# Altium PCB Clocker.PCBDOC (part 1 of 2) (continued)
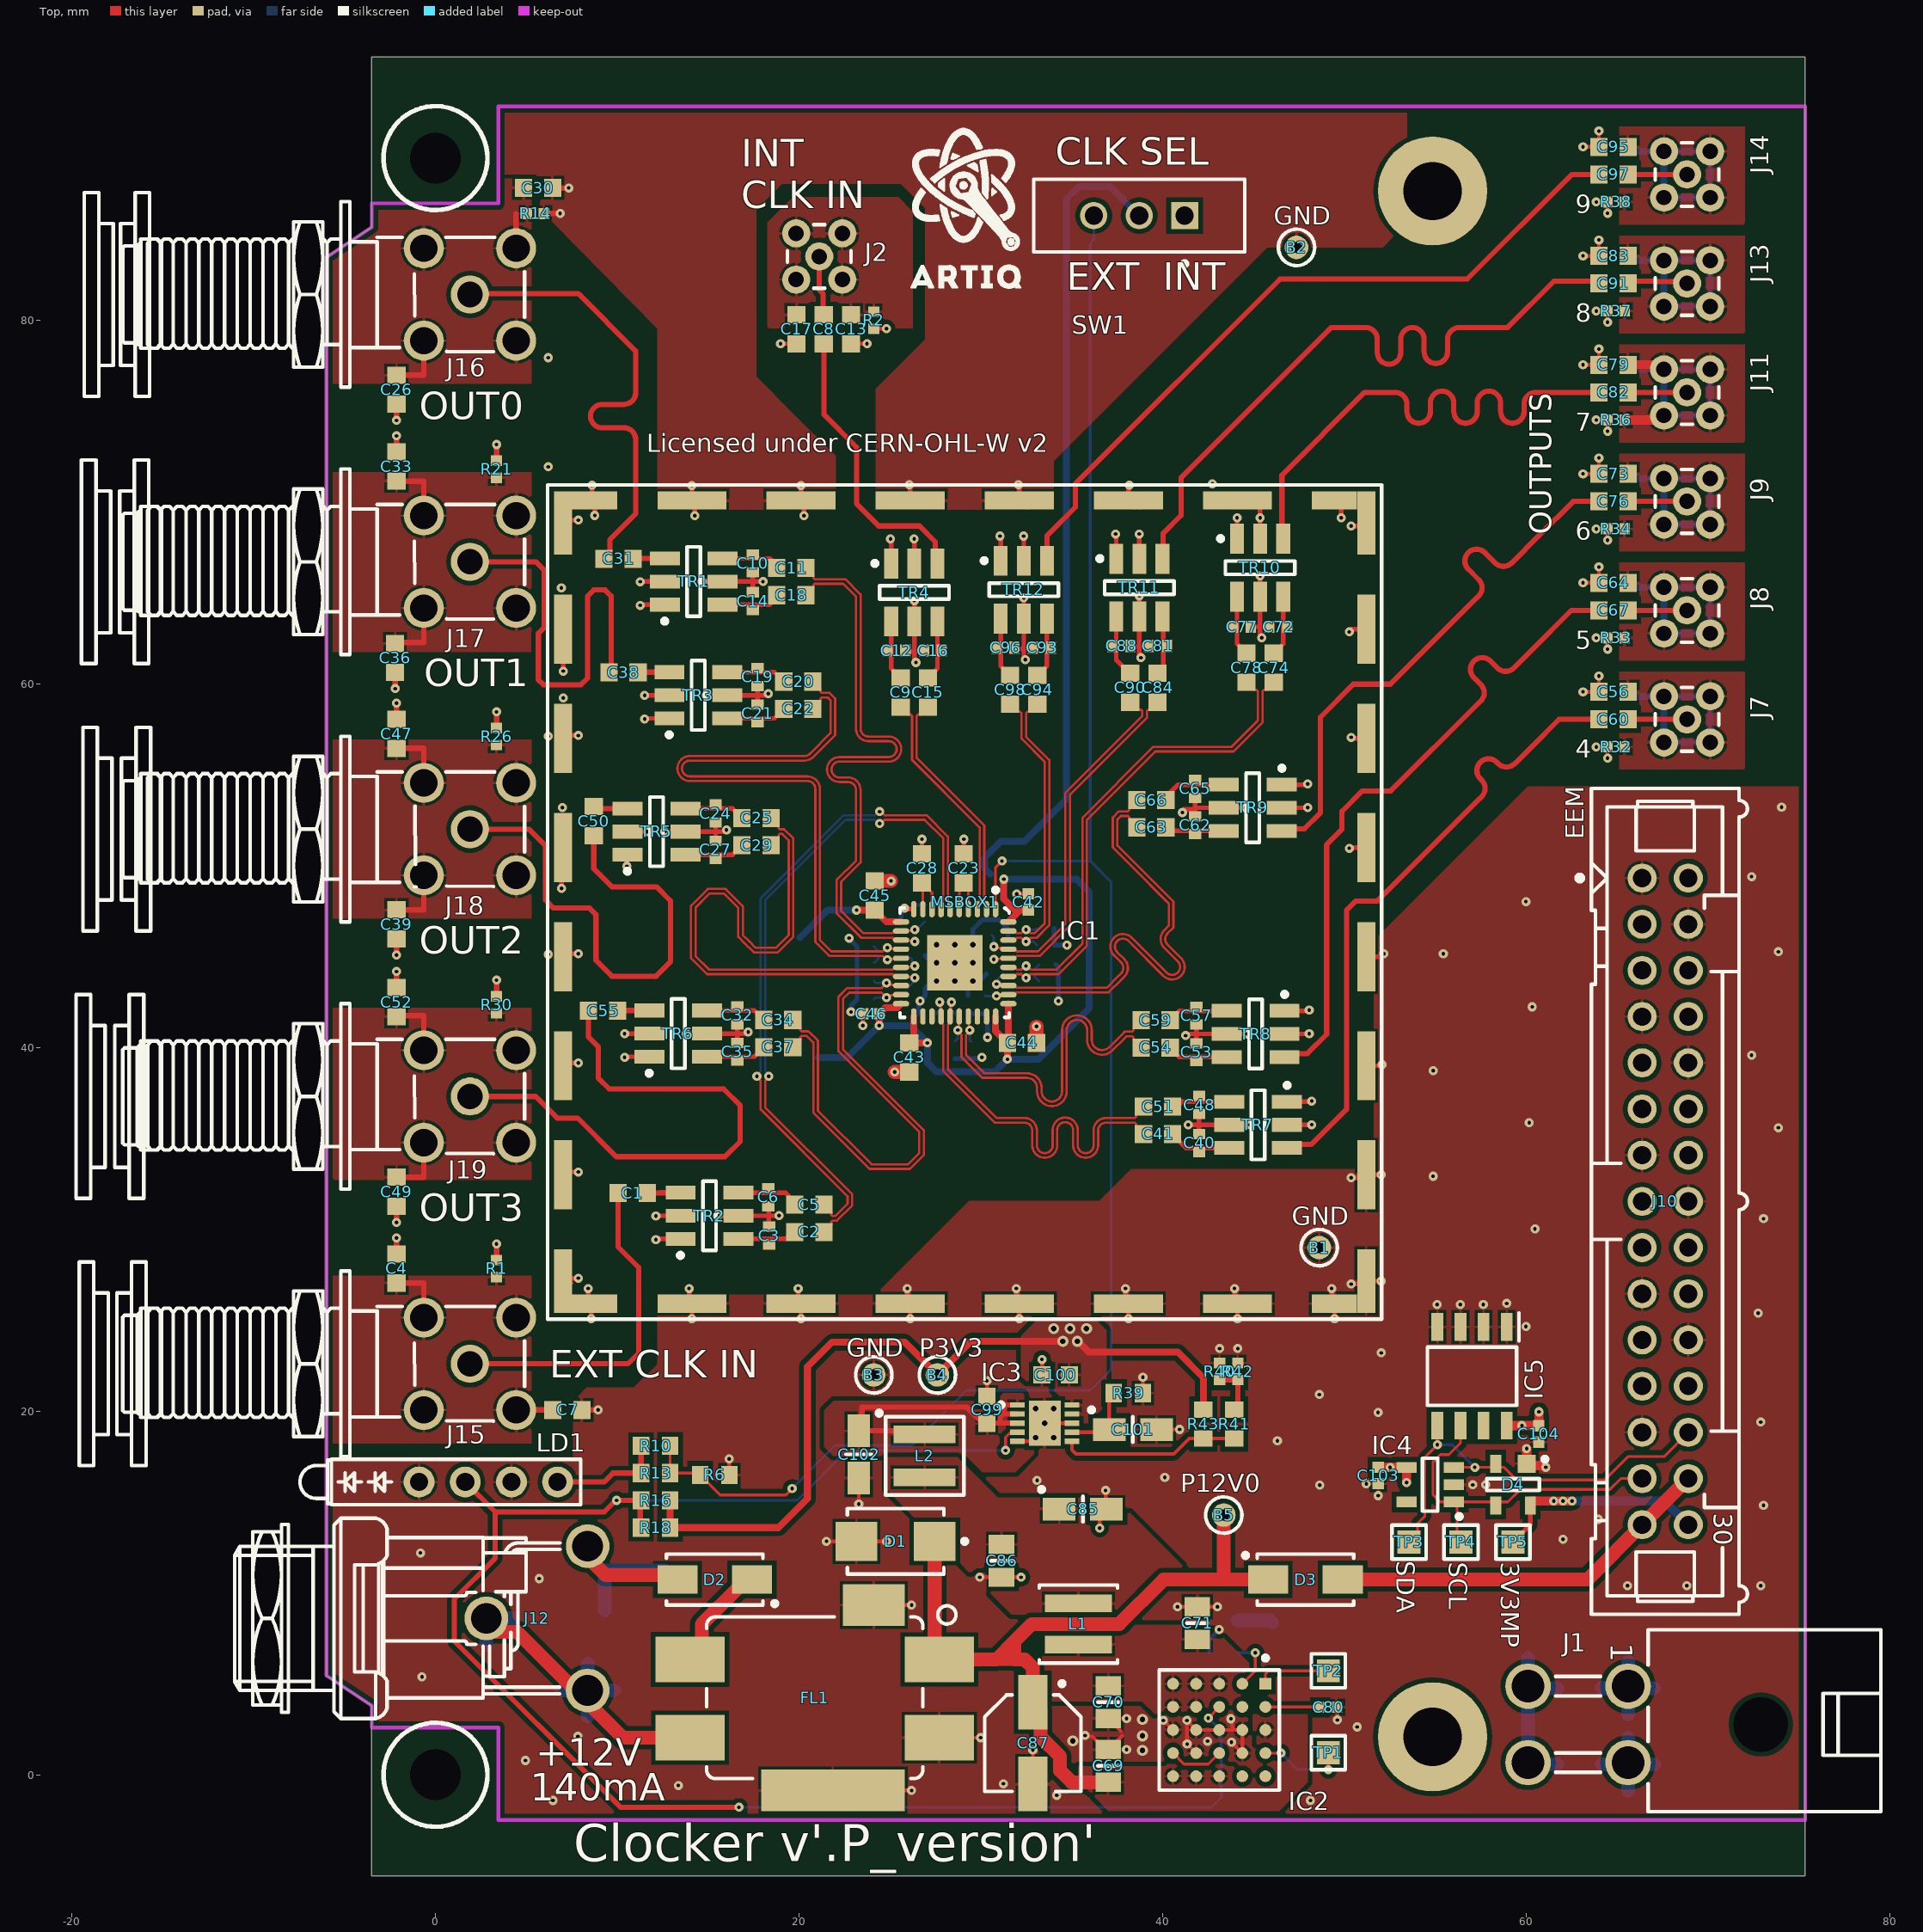
[diagram p0: Top view]
## Part data (continued)
FL1: library part FIL_MURATA_BNX022-01L, "Block Type EMIFIL (LC Combined)", Manufacturer=MURATA, Manufacturer Part Number=BNX022-01L, Resistance=0.5R, Author="CERN DEM JLC", Component Type=Standard, ComponentHeight=3.3mm, CreateDate=10.10.2012, HelpURL=\\cern.ch\dfs\Applications\Altium\Datasheets\FIL_MURATA_BNX022-01L.pdf, LatestRevisionDate=10.10.2012, Mounted=Yes, Part Description="Block Type EMIFIL (LC Combined) SMD Type, BNX02* Series", Part Number=FIL_MURATA_BNX022-01L, Pin Count=2, Sense=No, SMD=Yes, Socket=No, Status=None
IC1: "Two Selectable Inputs, 10 LVPECL Outputs, SiGe Clock Fanout Buffer", Case=QFN40, Manufacturer="ANALOG DEVICES", Author="CERN DEM BC", Bonding=No, Component Type=Standard, ComponentHeight=1mm, CreateDate=15.08.2016, Device=ADCLK950BCPZ, HelpURL=\\cern.ch\dfs\Applications\Altium\Datasheets\ADCLK950BCPZ.pdf, LatestRevisionDate=15.08.2016, Manufacturer Part Number=ADCLK950BCPZ, Mounted=Yes, PackageDescription="QFN, 0.50mm Pitch, Square; 40 Pin, 6.00mm L X 6.00mm W X 1.00mm H Body (W/Thermal Tab 3.05mm X 3.05mm), IPC Medium Density", Part Description="Two Selectable Inputs, 10 LVPECL Outputs, SiGe Clock Fanout Buffer", Part Number=ADCLK950BCPZ, Pin Count=41, PressFit=No, Sense=No, SMD=Yes, Socket=No
IC2: "4V-20V to 0.6V-5.5V, Iout 3A Step-Down DC/DC uModule Regulator", Case=LGA25, Manufacturer="LINEAR TECHNOLOGY", Author="CERN DEM JMW", Bonding=No, Component Type=Standard, ComponentHeight=1.92mm, CreateDate=23.09.2015, Device=LTM4623EV#PBF, HelpURL=\\cern.ch\dfs\Applications\Altium\Datasheets\LTM4623EV#PBF.pdf, LatestRevisionDate=23.09.2015, Manufacturer Part Number=LTM4623EV#PBF, Mounted=Yes, PackageDescription="LGA, 1.27mm Pitch, Square; 25 Pin, 5 Columns X 5 Rows, 6.25mm X 6.25mm X 1.92mm H", Part Description="4V-20V to 0.6V-5.5V, Iout 3A Step-Down DC/DC uModule Regulator", Part Number=LTM4623EV#PBF, Pin Count=25, PressFit=No, Sense=No, SMD=Yes, Socket=No
IC3: "20V, 500mA, Ultralow Noise, Ultrahigh PSRR Linear Regulator", Case=SON10, Manufacturer="LINEAR TECHNOLOGY", Author="CERN DEM JLC", Bonding=No, Component Type=Standard, ComponentHeight=0.8mm, CreateDate=07.12.2016, Device=LT3045EDD#PBF, HelpURL=\\cern.ch\dfs\Applications\Altium\Datasheets\LT3045EDD#PBF.pdf, LatestRevisionDate=07.12.2016, Manufacturer Part Number=LT3045EDD#PBF, Mounted=Yes, PackageDescription="SON, 0.50mm Pitch, 10-pin, 3.00mm W  X 3.00mm L X 0.80mm Height, (w/thermal tab 1.75 X 2.48 mm), IPC Medium Density", Part Description="20V, 500mA, Ultralow Noise, Ultrahigh PSRR Linear Regulator", Part Number=LT3045EDD#PBF, Pin Count=11, PressFit=No, Sense=No, SMD=Yes, Socket=No
IC4: "1.7V-5.5V, 2K I2C Serial EEPROM With EUI-48 Node Identity", Case=SOT23-5, Manufacturer="MICROCHIP TECHNOLOGY", Author="CERN DEM MR", Bonding=No, Component Type=Standard, ComponentHeight=1.45mm, CreateDate=31.03.2016, Device=24AA02E48T-I/OT, HelpURL=\\cern.ch\dfs\Applications\Altium\Datasheets\24AA02E48T-I-OT.pdf, LatestRevisionDate=31.03.2016, Manufacturer Part Number=24AA02E48T-I/OT, Mounted=Yes, PackageDescription="SOT, 0.95mm pitch; 5 pin, 1.60mm W X 2.90mm L X 1.45mm H body, IPC Medium Density", Part Description="1.7V-5.5V, 2K I2C Serial EEPROM With EUI-48 Node Identity", Part Number=24AA02E48T-I/OT, Pin Count=5, PressFit=No, Sense=No, SMD=Yes, Socket=No
IC5: library part MEM_24AA02E48T-I/SN, "1.7V-5.5V, 2K I2C™ Serial EEPROMs with EUI-48™ Node Identity", Case=SOIC8, Manufacturer="MICROCHIP TECHNOLOGY", Author=GK, Bonding=No, Component Type=Standard, ComponentHeight=1.75mm, CreateDate=19.07.2016, Device=24AA02E48T-I/SN, HelpURL=\\cern.ch\dfs\Applications\Altium\Datasheets\24AA025E48-I-SN.pdf, LatestRevisionDate=19.07.2016, Manufacturer Part Number=24AA02E48T-I/SN, Mounted=Yes, PackageDescription="SOIC 8, Pitch 1.27mm - Body 4x5mm, IPC Medium Density", Part Description="1.7V-5.5V, 2K I2C™ Serial EEPROMs with EUI-48™ Node Identity", Part Number=24AA02E48T-I/SN, Pin Count=8, PressFit=No, Sense=No, SMD=Yes, Socket=No
J1: library part MOLEX_39-30-0040, "Connector 4 Male", Manufacturer=MOLEX, Manufacturer Part Number=39-30-0040, Author="CERN DEM JLC", Component Type=Standard, ComponentHeight=11.4mm, CreateDate=2018-10-02, Family="Mini-Fit Jr.™", HelpURL=\\cern.ch\dfs\Applications\Altium\Datasheets\MOLEX_39-30-0040.pdf, LatestRevisionDate=2018-10-02, Mounted=Yes, Part Description="4.20mm (.165\") Pitch Mini-Fit Jr. Header, Dual Row, Right Angle with Snap-in Plastic Peg PCB Lock, 4 Circuits", Part Number=MOLEX_39-30-0040, Pin Count=4, PressFit=No, Sense=No, SMD=No, Socket=No, Status=None
J2 J7 J8 J9 J11 J13 J14: library part SAMTEC_MMCX-J-P-H-ST-TH1, Manufacturer=SAMTEC, Author="CERN DEM JLC", Component Type=Standard, ComponentHeight=4.35mm, CreateDate=05.12.2012, HelpURL=\\cern.ch\dfs\Applications\Altium\Datasheets\SAMTEC_MMCX-J-P-H-ST-TH1.pdf, LatestRevisionDate=05.12.2012, Manufacturer Part Number=MMCX-J-P-H-ST-TH1, Mounted=Yes, Part Description="Straight Through-hole 50 Ohm Micro Mini RF Jack, MMCX Series", Part Number=SAMTEC_MMCX-J-P-H-ST-TH1, Pin Count=2, PressFit=No, Sense=No, SMD=No, Socket=No, Status=None
J10: library part 3M_N2530-6002RB, "Connector 30 Male", Manufacturer=3M, Manufacturer Part Number=N2530-6002RB, Author="CERN DEM JLC", Component Type=Standard, ComponentHeight=10.03mm, CreateDate=11.02.2009, Family="Header 30", HelpURL=\\cern.ch\dfs\Applications\Altium\Datasheets\3M_N2530-6002RB.pdf, LatestRevisionDate=11.08.2009, Mounted=Yes, Part Description="30 Contacts - Straight .100'' x .100'' Low Profile Four-Wall Header, 2500 Series", Part Number=3M_N2530-6002RB, Pin Count=30, PressFit=No, Sense=No, SMD=No, Socket=No, Status=None
J12: library part SWITCHCRAFT_712RA, "2.5 mm Center Pin, 5A, 48V, Right Angle, Through Hole, , DC Power Jack Connector", Manufacturer=SWITCHCRAFT, Manufacturer Part Number=712RA, Author="CERN DEM JLC", Component Type=Standard, ComponentHeight=13.8mm, CreateDate=19.12.2017, Family=Jack, HelpURL=\\cern.ch\dfs\Applications\Altium\Datasheets\SWITCHCRAFT_712RA.pdf, LatestRevisionDate=19.12.2017, Mounted=Yes, Part Description="2.5 mm Center Pin, 5A, 48VDC, Right Angle, Through Hole, Locking Power Jack Connector (Threaded Bushings)", Part Number=SWITCHCRAFT_712RA, Pin Count=3, PressFit=No, Sense=No, SMD=No, Socket=No, Status=None
J15 J16 J17 J18 J19: library part CON_SMA_DELOCK_65848, "50 Ohm Through Hole SMA Right Angle PCB Jack", Manufacturer=DELOCK, Manufacturer Part Number="5848 (4043619658480)", Part Number=DELOCK_65848, Author=GK, Component Type=Standard, ComponentHeight=12.5, CreateDate=13.05.2019, Family=SMA, HelpURL=\\cern.ch\dfs\Applications\Altium\Datasheets\AMPHENOL_132203-16.pdf, LatestRevisionDate=13.05.2019, Mounted=Yes, Part Description="50 Ohm Through Hole SMA Right Angle PCB Jack", Pin Count=5, PressFit=No, Sense=No, SMD=No, Socket=No, Status=None
L1 L2: library part IND_6.8UH_20%_COILCRAFT_XAL4030, "Inductor With Core", Manufacturer=COILCRAFT, Manufacturer Part Number=XAL4030-682MEB, Power=3A, Resistance=0.0741R, Tolerance=±20%, Author="CERN DEM MR", Component Type=Standard, ComponentHeight=2.1mm, CreateDate=14.03.2016, HelpURL=\\cern.ch\dfs\Applications\Altium\Datasheets\IND_COILCRAFT_XAL4030.pdf, LatestRevisionDate=14.03.2016, Mounted=Yes, Part Description="SMD Shielded Power Inductor", Part Number=IND_6.8UH_20%_COILCRAFT_XAL4030, Pin Count=2, Sense=No, SMD=Yes, Socket=No, Status=None
LD1: library part LED_DIALIGHT_571-0122F, "LED x2 Green 1C2A-BOT_3C4A-TOP", Manufacturer=DIALIGHT, Manufacturer Part Number=571-0122F, Author="CERN DEM JLC", Bonding=No, Color=Green/Green, Component Type=Standard, ComponentHeight=8.6mm, CreateDate=09.11.2009, HelpURL=\\cern.ch\dfs\Applications\Altium\Datasheets\LED_DIALIGHT_571-0122F.pdf, LatestRevisionDate=17.03.2010, Mounted=Yes, PackageDescription="2x 2mm Red LED PCB Edge Mounting (Without positioning pins) DIALIGHT 571 Serie", Part Description="Dual 2mm Green LEDs CBI® Circuit Board Indicator (Without positioning pins)", Part Number=LED_DIALIGHT_571-0122F, Pin Count=4, PressFit=No, Sense=No, SMD=No, Socket=No
MSBOX1: library part MSBOX_LAIRD_BMI-S-207-F, Manufacturer=LAIRD, Manufacturer Part Number=BMI-S-207-F, Author="CERN DEM JLC", Component Type=Standard, ComponentHeight=9.75mm, CreateDate=04.07.2017, HelpURL=\\cern.ch\dfs\Applications\Altium\Datasheets\MSBOX_LAIRD_BMI-S-207-F.pdf, LatestRevisionDate=04.07.2017, Mounted=Yes, PackageDescription="Frame of Standard Surface Mount Shield (Two Piece), External Dimensions 44.37x 44.37mm", Part Description="Frame of Standard Surface Mount Shield (Two Piece), External Dimensions 44.37 x 44.37mm", Part Number=MSBOX_LAIRD_BMI-S-207-F, Pin Count=28, PressFit=No, Sense=No, SMD=Yes, Socket=No, Status=None
MSBOXC1: library part MSBOX_LAIRD_BMI-S-207-C, "Metal Screening Box - Top Cover 0 Pin", Manufacturer=LAIRD, Manufacturer Part Number=BMI-S-207-C, Author="CERN DEM JLC", Component Type=Standard, ComponentHeight=2mm, CreateDate=04.07.2017, HelpURL=\\cern.ch\dfs\Applications\Altium\Datasheets\MSBOX_LAIRD_BMI-S-207-C.pdf, LatestRevisionDate=04.07.2017, Mounted=Yes, PackageDescription="Cover for Frame of Standard Surface Mount Shield (Two Piece), External Dimensions 44.83 x 44.83mm", Part Description="Cover for Frame of Standard Surface Mount Shield (Two Piece), External Dimensions 44.83 x 44.83mm", Part Number=MSBOX_LAIRD_BMI-S-207-C, Pin Count=0, PressFit=No, Sense=No, SMD=Yes, Socket=No, Status=None
R1 R2 R14 R21 R26 R30 R32 R33 R34 R36 R37 R38: library part R0402_0R_JUMPER, "Resistor", Case=0402, Manufacturer=GENERIC, Manufacturer1 ComponentHeight=0.4mm, Manufacturer1 Example="YAGEO PHYCOMP", Manufacturer1 Part Number=232270591001L, Author="CERN DEM JLC", Component Type=Standard, CreateDate=03/12/2007, HelpURL=\\cern.ch\dfs\Applications\Altium\Datasheets\R0402_Phycomp_RC0402.pdf, LatestRevisionDate=17/10/2012, Manufacturer Part Number=R0402_0R_JUMPER, Mounted=Yes, Part Description="1A (0.05R Max DC Resistance) Zero Ohm Jumper", Part Number=R0402_0R_JUMPER, Pin Count=2, PressFit=No, Sense=No, SMD=Yes, Socket=No, Status="Not Recommended"
R3 R4 R5 R7 R8 R9 R11 R12 R15 R17 R19 R20 R22 R23 R24 R25 R27 R28 R29 R31 R40 R42: library part R0402_200R_1%_0.0625W_100PPM, "Resistor - 1%", Case=0402, Manufacturer=GENERIC, Manufacturer1 ComponentHeight=0.4mm, Manufacturer1 Example="YAGEO PHYCOMP", Manufacturer1 Part Number=232270672001L, Power=0.0625W, Tolerance=±1%, Author="CERN DEM JLC", Component Type=Standard, CreateDate=03.12.2007, HelpURL=\\cern.ch\dfs\Applications\Altium\Datasheets\R0402_Phycomp_RC0402.pdf, LatestRevisionDate=17.10.2012, Manufacturer Part Number=R0402_200R_1%_0.0625W_100PPM, Mounted=Yes, Part Description="General Purpose Thick Film Chip Resistor", Part Number=R0402_200R_1%_0.0625W_100PPM, Pin Count=2, PressFit=No, Sense=No, SMD=Yes, Socket=No, Status="Not Recommended", TC=±100ppm/°C
R6 R10 R13 R16 R18 R41: library part R0603_1K2_1%_0.1W_100PPM, "Resistor - 1%", Case=0603, Manufacturer=GENERIC, Manufacturer1 ComponentHeight=0.55mm, Manufacturer1 Example="NIC COMPONENT", Manufacturer1 Part Number=NRC06F1201TRF, Power=0.1W, Tolerance=±1%, Author="CERN DEM JLC", Component Type=Standard, CreateDate=03.12.2007, HelpURL=\\cern.ch\dfs\Applications\Altium\Datasheets\R0603_NIC_NRC.pdf, LatestRevisionDate=13.03.2008, Manufacturer Part Number=R0603_1K2_1%_0.1W_100PPM, Mounted=Yes, Part Description="General Purpose Thick Film Chip Resistor", Part Number=R0603_1K2_1%_0.1W_100PPM, Pin Count=2, Sense=No, SMD=Yes, Socket=No, Status=Preferred, TC=±100ppm/°C
R35 R43: library part R0603_12K_1%_0.1W_100PPM, "Resistor - 1%", Case=0603, Manufacturer=GENERIC, Manufacturer1 ComponentHeight=0.55mm, Manufacturer1 Example="NIC COMPONENT", Manufacturer1 Part Number=NRC06F1202TRF, Power=0.1W, Tolerance=±1%, Author="CERN DEM JLC", Component Type=Standard, CreateDate=03.12.2007, HelpURL=\\cern.ch\dfs\Applications\Altium\Datasheets\R0603_NIC_NRC.pdf, LatestRevisionDate=13.03.2008, Manufacturer Part Number=R0603_12K_1%_0.1W_100PPM, Mounted=Yes, Part Description="General Purpose Thick Film Chip Resistor", Part Number=R0603_12K_1%_0.1W_100PPM, Pin Count=2, PressFit=No, Sense=No, SMD=Yes, Socket=No, Status=Preferred, TC=±100ppm/°C
R39: library part R0603_33k_1%_0.1W_100PPM, "Resistor - 1%", Case=0603, Manufacturer=GENERIC, Manufacturer1 ComponentHeight=0.55mm, Manufacturer1 Example="NIC COMPONENT", Manufacturer1 Part Number=NRC06F3302TRF, Manufacturer Part Number=R0603_33K_1%_0.1W_100PPM, Power=0.1W, Tolerance=±1%, Author="CERN DEM JLC", Component Type=Standard, CreateDate=03.12.2007, HelpURL=\\cern.ch\dfs\Applications\Altium\Datasheets\R0603_NIC_NRC.pdf, LatestRevisionDate=13.03.2008, Mounted=Yes, Part Description="General Purpose Thick Film Chip Resistor", Part Number=R0603_33K_1%_0.1W_100PPM, Pin Count=2, PressFit=No, Sense=No, SMD=Yes, Socket=No, Status=Preferred, TC=±100ppm/°C
SW1: library part CMP-1696-00002-1, "Slide Switch, 500 V, -20 to 70 degC, 3-Pin THD, RoHS", Case\Package=SOT-23-5, Dropout Voltage="300 mV", Manufacturer=E-switch, Max Input Voltage="8 V", Max Operating Temperature="85 degC", Max Ouput Current="150 mA", Max Power Dissipation="250 mW", Min Input Voltage="4.3 V", Min Operating Temperature="-40 degC", Nominal Output Voltage="3.3 V", Package Quantity=3000, ComponentLink1Description="Manufacturer URL", ComponentLink1URL=http://www.e-switch.ch/en/, ComponentLink2Description=Datasheet, ComponentLink2URL=https://www.e-switch.com/system/asset/product_line/data_sheet/119/EG.pdf, DatasheetVersion=Oct-15, Height="1.3 mm", Length="3 mm", Manufacturer Part Number=EG1218, Mount="Surface Mount", Output Current="150 mA", Output Voltage="3.3 V", Outputs=1, PackageDescription="3-Pin Through Hole Device, Body 11.6 x 4 mm, Pitch 2.5 mm", PackageReference=EG1218, Packaging="Tape and Reel", Pins=5, Power Rating="250 mW", Radiation Hardening=No, REACH SVHC="No SVHC", RoHSCompliant=true, Width="1.8 mm"
TP1 TP2 TP3 TP4 TP5: library part SMD_PAD_1.27X1.27MM, Author="CERN DEM JLC", Component Type="Standard (No BOM)", ComponentHeight=0mm, CreateDate=12.01.2008, Family="Test Point", HelpURL=Undefined, LatestRevisionDate=12.01.2008, Mounted=No, PackageDescription="1.27mm x 1.27mm PCB Copper Area (SMD Test Point)", Part Description="1.27mm x 1.27mm PCB Copper Area (SMD Test Point)", Part Number=SMD_PAD_1.27X1.27MM, Pin Count=1, Sense=No, Socket=No, Status=None
  TP1 TP2: SMD=Yes
  TP3 TP4 TP5: SMD=No
TR1 TR2 TR3 TR4 TR5 TR6 TR7 TR8 TR9 TR10 TR11 TR12: library part XFMR_MINI-CIRCUITS_TCM2-43X+, "50 OHMS 10 to 4000 MHz RF Transformer", Manufacturer=MINI-CIRCUITS, Manufacturer Part Number=TCM2-43X+, Power=0.4W, Author="CERN DEM BC", Component Type=Standard, ComponentHeight=4.06mm, CreateDate=2016-02-12, HelpURL=\\cern.ch\dfs\Applications\Altium\Datasheets\XFMR_MINI-CIRCUITS_TCM2-43X+.pdf, LatestRevisionDate=2016-02-12, Mounted=Yes, Part Description="50 Ohms 10 to 4000MHz RF Transformer", Part Number=XFMR_MINI-CIRCUITS_TCM2-43X+, Pin Count=6, Sense=No, SMD=Yes, Socket=No, Status=None
WASHER1 WASHER2 WASHER3 WASHER4 WASHER5 WASHER6 WASHER7 WASHER8 WASHER9 WASHER10: library part Keystone_7687, "SMA_Shoulder Washer", Manufacturer=Keystone, Manufacturer Part Number=7687, Part Number="Keystone 7687", Author=GK, Component Type=Mechanical, ComponentHeight=1.91mm, CreateDate=28.01.2016, HelpURL=\\cern.ch\dfs\Applications\Altium\Datasheets\AAVID-THERMALLOY_7721-7PPSG.pdf, LatestRevisionDate=28.01.2016, Mounted=Yes, PackageDescription="Polyphenylene Sulfide PPS Shoulder Washer", Part Description="Polyphenylene Sulfide PPS Shoulder Washer", Pin Count=0, PressFit=No, Sense=No, SMD=No, Socket=No, Status=None

## Free pads (board coordinates)
  round 6 hole 3.2: 0(54.844,2.088) 1(54.844,87.088)
  round 1.27 hole 2.794: 1(0,88.9) 2(0,0)

## Via types
v1: diameter 0.5, hole 0.2, Top to Bot, tented both sides, 281 vias
v2: diameter 0.6, hole 0.3, Top to Bot, tented both sides, 14 vias
v3: diameter 0.6, hole 0.3, Top to Bot, 9 vias
v4: diameter 0.5, hole 0.2, Top to Bot, 4 vias

## Nets (pads, with @x,y where several pads share a name; then routed paths per layer and width w, separated by ;. In a path a pad name is that pad's centre, name@x,y a point inside that pad or via, vN(x,y) a via of type N, cw(c..) or ccw(c..) an arc to the next point about the centre after c; other vN are vias at no path point)
EEM_CLK_OUT0: C31.2 TR1.3 | length 1.8
  Top w0.288: C31.2@10.875,66.863 10.895,66.883 TR1.3@12.62,66.883
EEM_CLK_OUT1: C38.2 TR3.3 | length 1.7
  Top w0.288: C38.2@11.145,60.613 11.165,60.633 TR3.3@12.87,60.633
EEM_CLK_OUT2: C50.2 TR5.3 | length 1.9
  Top w0.288: C50.2@8.71,53.238 8.815,53.133 TR5.3@10.57,53.133
EEM_CLK_OUT3: C55.2 TR6.3 | length 1.8
  Top w0.288: C55.2@10.02,42.008 10.04,42.028 TR6.3@11.765,42.028
EEM_CLK_OUT4: C60.2 TR7.3 | length 34.7
  Top w0.288: TR7.3@47.024,34.657 48.176,34.657 50.11,36.591 50.11,47.543 50.615,48.048 51.806,48.048 57.44,53.682 57.542,53.784 ccw(c57.086,54.24) 57.542,54.695 57.47,54.767 cw(c57.925,55.222) 57.47,55.678 cw(c57.925,55.222) 58.38,55.678 58.452,55.606 ccw(c58.908,56.061) 59.363,55.606 60.308,56.551 61.794,58.036 C60.2@63.992,58.036
EEM_CLK_OUT5: C67.2 TR8.3 | length 36.4
  Top w0.288: TR8.3@46.888,39.656 47.956,39.656 49.015,40.715 49.015,51.143 49.865,51.993 49.865,52.983 50.98,54.098 52.549,54.098 57.393,58.942 57.495,59.044 ccw(c57.039,59.5) 57.495,59.955 57.118,60.332 cw(c57.573,60.787) 57.118,61.243 cw(c57.573,60.787) 58.028,61.243 58.405,60.866 ccw(c58.861,61.321) 59.316,60.866 60.274,61.823 62.48,64.029 C67.2@63.992,64.029
EEM_CLK_OUT6: C76.2 TR9.3 | length 31
  Top w0.288: TR9.3@46.655,52.018 47.798,52.018 48.675,52.895 48.675,58.162 50.481,59.968 52.525,59.968 57.272,64.714 57.374,64.816 ccw(c56.919,65.272) 57.374,65.727 56.808,66.293 cw(c57.263,66.749) 56.808,67.204 cw(c57.263,66.749) 57.718,67.204 58.285,66.638 ccw(c58.74,67.093) 59.195,66.638 60.703,68.145 62.58,70.022 C76.2@63.992,70.022
EEM_CLK_OUT7: C82.2 TR10.3 | length 30.5
  Top w0.288: TR10.3@46.556,67.445 46.556,71.467 51.104,76.015 51.357,76.015 52.789,76.015 cw(c52.789,75.371) 53.433,75.371 53.433,74.963 ccw(c54.077,74.963) 54.077,74.319 ccw(c54.077,74.963) 54.721,74.963 54.721,75.443 cw(c55.365,75.443) 55.365,76.087 cw(c55.365,75.443) 56.009,75.443 56.009,74.963 ccw(c56.653,74.963) 56.653,74.319 ccw(c56.653,74.963) 57.297,74.963 57.297,75.443 cw(c57.941,75.443) 57.941,76.087 cw(c57.941,75.443) 58.585,75.443 58.585,74.963 ccw(c59.229,74.963) 59.229,74.319 ccw(c59.229,74.963) 59.873,74.963 59.873,75.371 cw(c60.517,75.371) 60.517,76.015 61.38,76.015 C82.2@63.992,76.015
EEM_CLK_OUT8: C91.2 TR11.3 | length 38.2
  Top w0.288: TR11.3@39.985,66.868 40.025,66.908 40.025,68.266 41.007,69.248 41.007,71.321 49.267,79.581 49.727,79.581 51.159,79.581 cw(c51.159,78.937) 51.803,78.937 51.803,78.209 ccw(c52.447,78.209) 52.447,77.565 ccw(c52.447,78.209) 53.091,78.209 53.091,78.937 cw(c53.735,78.937) 53.735,79.581 cw(c53.735,78.937) 54.379,78.937 54.379,78.249 ccw(c55.023,78.249) 55.023,77.605 ccw(c55.023,78.249) 55.667,78.249 55.667,78.937 cw(c56.311,78.937) 56.311,79.581 58.961,79.581 58.967,79.581 61.517,82.131 63.868,82.131 C91.2@63.992,82.007
EEM_CLK_OUT9: C97.2 TR12.3 | length 40.7
  Top w0.288: TR12.3@33.63,66.753 33.63,68.13 35.197,69.697 35.197,70.992 46.456,82.251 56.756,82.251 62.505,88 C97.2@63.992,88
EEM_OUT0_N: C11.2 IC1.12 R31.1 | length 33.1
  Top w0.125: C11.2@20.375,66.363 20.787,65.95 20.787,65.812 20.86,65.739 22.541,65.739 23.384,64.896 23.384,57.713 23.384,57.524 ccw(c23.82,57.524) 23.82,57.089 24.931,57.089 cw(c24.931,56.401) 25.619,56.401 cw(c24.931,56.401) 24.931,55.713 22.223,55.713 ccw(c22.223,55.277) 21.787,55.277 ccw(c22.223,55.277) 22.223,54.841 22.696,54.841 cw(c22.696,54.153) 23.384,54.153 23.384,53.284 23.384,50.162 22.318,49.096 22.318,47.493 23.537,46.274 25.149,46.274 25.273,46.398 IC1.12@25.61,46.398 25.643,46.432 26.317,46.432 v1(26.36,46.474)
  Bot w0.125: v1(26.36,46.474) 26.432,46.546 26.543,46.546 26.89,46.893 R31.1@26.91,46.893
EEM_OUT0_P: C18.2 IC1.13 R29.1 | length 33.2
  Top w0.125: C18.2@20.375,64.863 20.787,65.275 20.787,65.413 20.86,65.487 22.437,65.487 23.132,64.792 23.132,57.713 23.132,57.524 ccw(c23.82,57.524) 23.82,56.836 24.931,56.836 cw(c24.931,56.401) 25.367,56.401 cw(c24.931,56.401) 24.931,55.965 22.223,55.965 ccw(c22.223,55.277) 21.535,55.277 ccw(c22.223,55.277) 22.223,54.589 22.696,54.589 cw(c22.696,54.153) 23.132,54.153 23.132,53.284 23.132,50.267 22.066,49.201 22.066,47.389 23.432,46.022 25.149,46.022 25.273,45.898 IC1.13@25.61,45.898 25.643,45.865 26.317,45.865 v1(26.36,45.822)
  Bot w0.125: R29.1@25.61,45.928 25.716,45.822 v1(26.36,45.822)
EEM_OUT1_N: C20.2 IC1.14 R28.1 | length 35.2
  Top w0.125: C20.2@20.76,60.113 21.172,59.7 21.172,59.562 21.245,59.489 21.684,59.489 21.987,59.186 21.987,57.296 21.987,57.173 20.785,55.971 cw(c20.299,56.457) 20.299,55.769 13.999,55.769 ccw(c13.999,55.334) 13.563,55.334 ccw(c13.999,55.334) 13.999,54.898 20.458,54.898 cw(c20.458,54.21) 21.146,54.21 21.146,54.021 21.146,45.902 21.774,45.274 24.599,45.274 24.799,45.474 v1(24.86,45.474) 24.903,45.432 25.577,45.432 IC1.14@25.61,45.398
  Bot w0.125: R28.1@24.13,45.548 24.13,45.528 24.357,45.301 24.404,45.301 24.431,45.274 24.608,45.274 24.808,45.474 v1(24.86,45.474)
EEM_OUT1_P: C22.2 IC1.15 R27.1 | length 35.3
  Top w0.125: C22.2@20.76,58.613 21.172,59.025 21.172,59.163 21.245,59.237 21.58,59.237 21.735,59.081 21.735,57.296 21.735,57.277 20.607,56.149 cw(c20.299,56.457) 20.299,56.022 13.999,56.022 ccw(c13.999,55.334) 13.311,55.334 ccw(c13.999,55.334) 13.999,54.646 20.458,54.646 cw(c20.458,54.21) 20.894,54.21 20.894,54.021 20.894,45.798 21.669,45.022 24.599,45.022 24.799,44.822 v1(24.86,44.822) 24.903,44.865 25.577,44.865 IC1.15@25.61,44.898
  Bot w0.125: R27.1@24.13,44.648 24.357,44.875 24.357,44.941 24.438,45.022 24.599,45.022 24.799,44.822 v1(24.86,44.822)
EEM_OUT2_N: C25.2 IC1.16 R25.1 | length 31.6
  Top w0.125: C25.2@18.46,52.613 18.872,52.2 18.872,52.062 18.945,51.989 19.181,51.989 19.685,51.485 19.685,46.074 18.834,45.222 17.507,45.222 16.994,45.736 16.659,46.071 16.659,47.663 15.862,48.46 15.092,48.46 14.31,47.677 14.31,45.01 15.046,44.274 25.149,44.274 25.273,44.398 IC1.16@25.61,44.398 25.643,44.432 26.317,44.432 v1(26.36,44.474)
  Bot w0.125: R25.1@25.99,45.048 26.217,44.821 26.217,44.404 v1@26.36,44.262
EEM_OUT2_P: C29.2 IC1.17 R24.1 | length 31.3
  Top w0.125: C29.2@18.46,51.113 18.872,51.525 18.872,51.663 18.945,51.737 19.077,51.737 19.433,51.38 19.433,46.178 18.729,45.474 17.612,45.474 17.246,45.84 16.911,46.175 16.911,47.768 15.966,48.712 14.988,48.712 14.058,47.782 14.058,44.906 14.942,44.022 25.149,44.022 25.273,43.898 IC1.17@25.61,43.898 25.643,43.865 26.317,43.865 v1(26.36,43.822)
  Bot w0.125: R24.1@25.99,43.248 25.99,43.268 26.288,43.566 26.288,43.75 v1(26.36,43.822)
EEM_OUT3_N: C34.2 IC1.18 R23.1 | length 27.8
  Top w0.125: C34.2@19.655,41.508 20.067,41.095 20.067,40.957 20.14,40.884 20.521,40.884 20.669,40.736 20.89,40.515 21.038,40.367 21.038,36.517 23.99,33.566 25.994,33.566 26.61,34.182 26.61,35.341 22.168,39.783 22.168,42.783 22.649,43.264 24.536,43.264 v1(24.81,43.538) 24.911,43.538 25.017,43.432 25.577,43.432 IC1.18@25.61,43.398
  Bot w0.125: R23.1@24.13,43.648 24.241,43.538 v1(24.81,43.538)
EEM_OUT3_P: C37.2 IC1.19 R22.1 | length 27.8
  Top w0.125: C37.2@19.655,40.008 20.067,40.42 20.067,40.558 20.14,40.632 20.417,40.632 20.786,40.262 20.786,36.412 23.885,33.313 26.098,33.313 26.862,34.077 26.862,35.446 22.42,39.888 22.42,42.679 22.753,43.011 24.536,43.011 v1(24.81,42.738) 24.911,42.738 25.038,42.865 25.577,42.865 IC1.19@25.61,42.898
  Bot w0.125: R22.1@24.13,42.648 24.22,42.738 v1(24.81,42.738)
EEM_OUT4_N: C41.2 IC1.24 R20.1 | length 23
  Top w0.125: v1(27.734,42.488) 27.777,42.445 27.777,41.732 IC1.24@27.81,41.698 27.81,41.361 27.934,41.237 27.934,38.689 30.761,35.862 31.078,35.862 32.39,35.862 cw(c32.39,35.426) 32.826,35.426 32.826,34.617 ccw(c33.514,34.617) 33.514,33.929 ccw(c33.514,34.617) 34.202,34.617 34.202,35.451 cw(c34.637,35.451) 34.637,35.887 cw(c34.637,35.451) 35.073,35.451 35.073,34.617 ccw(c35.761,34.617) 35.761,33.929 ccw(c35.761,34.617) 36.449,34.617 36.449,35.426 cw(c36.885,35.426) 36.885,35.862 38.31,35.862 38.459,35.862 38.533,35.789 38.533,35.651 C41.2@38.945,35.238
  Bot w0.125: R20.1@27.53,41.848 27.734,42.052 v1(27.734,42.488)
EEM_OUT4_P: C51.2 IC1.25 R19.1 | length 22.6
  Top w0.125: v1(28.386,42.488) 28.343,42.445 28.343,41.732 IC1.25@28.31,41.698 28.31,41.361 28.186,41.237 28.186,38.794 30.866,36.114 31.078,36.114 32.39,36.114 cw(c32.39,35.426) 33.078,35.426 33.078,34.617 ccw(c33.514,34.617) 33.514,34.181 ccw(c33.514,34.617) 33.949,34.617 33.949,35.451 cw(c34.637,35.451) 34.637,36.139 cw(c34.637,35.451) 35.325,35.451 35.325,34.617 ccw(c35.761,34.617) 35.761,34.181 ccw(c35.761,34.617) 36.197,34.617 36.197,35.426 cw(c36.885,35.426) 36.885,36.114 38.31,36.114 38.459,36.114 38.533,36.188 38.533,36.326 C51.2@38.945,36.738
  Bot w0.125: v1(28.386,42.488) 28.386,42.052 R19.1@28.59,41.848
EEM_OUT5_N: C54.2 IC1.26 R17.1 | length 20.6
  Top w0.125: IC1.26@28.81,41.698 28.777,41.665 28.777,40.991 v1(28.734,40.948) 28.734,40.887 28.934,40.687 28.934,39.464 30.074,38.324 30.961,38.324 32.527,38.324 cw(c32.527,37.761) 33.09,37.761 33.09,37.585 ccw(c33.905,37.585) 33.905,36.77 ccw(c33.905,37.585) 34.72,37.585 34.72,40.946 cw(c35.283,40.946) 35.283,41.508 cw(c35.283,40.946) 35.845,40.946 35.845,40.409 ccw(c36.66,40.409) 37.238,39.834 37.866,40.462 38.016,40.612 38.324,40.612 38.398,40.539 38.398,40.401 C54.2@38.81,39.988
  Bot w0.125: R17.1@28.56,40.318 28.734,40.492 v1(28.734,40.948)
EEM_OUT5_P: C59.2 IC1.27 R15.1 | length 20.1
  Top w0.125: IC1.27@29.31,41.698 29.343,41.665 29.343,40.991 v1(29.386,40.948) 29.386,40.887 29.186,40.687 29.186,39.569 30.179,38.576 30.961,38.576 32.527,38.576 cw(c32.527,37.761) 33.342,37.761 33.342,37.585 ccw(c33.905,37.585) 33.905,37.023 ccw(c33.905,37.585) 34.468,37.585 34.468,40.946 cw(c35.283,40.946) 35.283,41.761 cw(c35.283,40.946) 36.098,40.946 36.098,40.409 ccw(c36.66,40.409) 37.058,40.011 37.866,40.819 37.911,40.864 38.324,40.864 38.398,40.938 38.398,41.076 C59.2@38.81,41.488
  Bot w0.125: v1(29.386,40.948) 29.386,40.392 R15.1@29.46,40.318